# Altium PCB Core_Board.PcbDoc (continued)
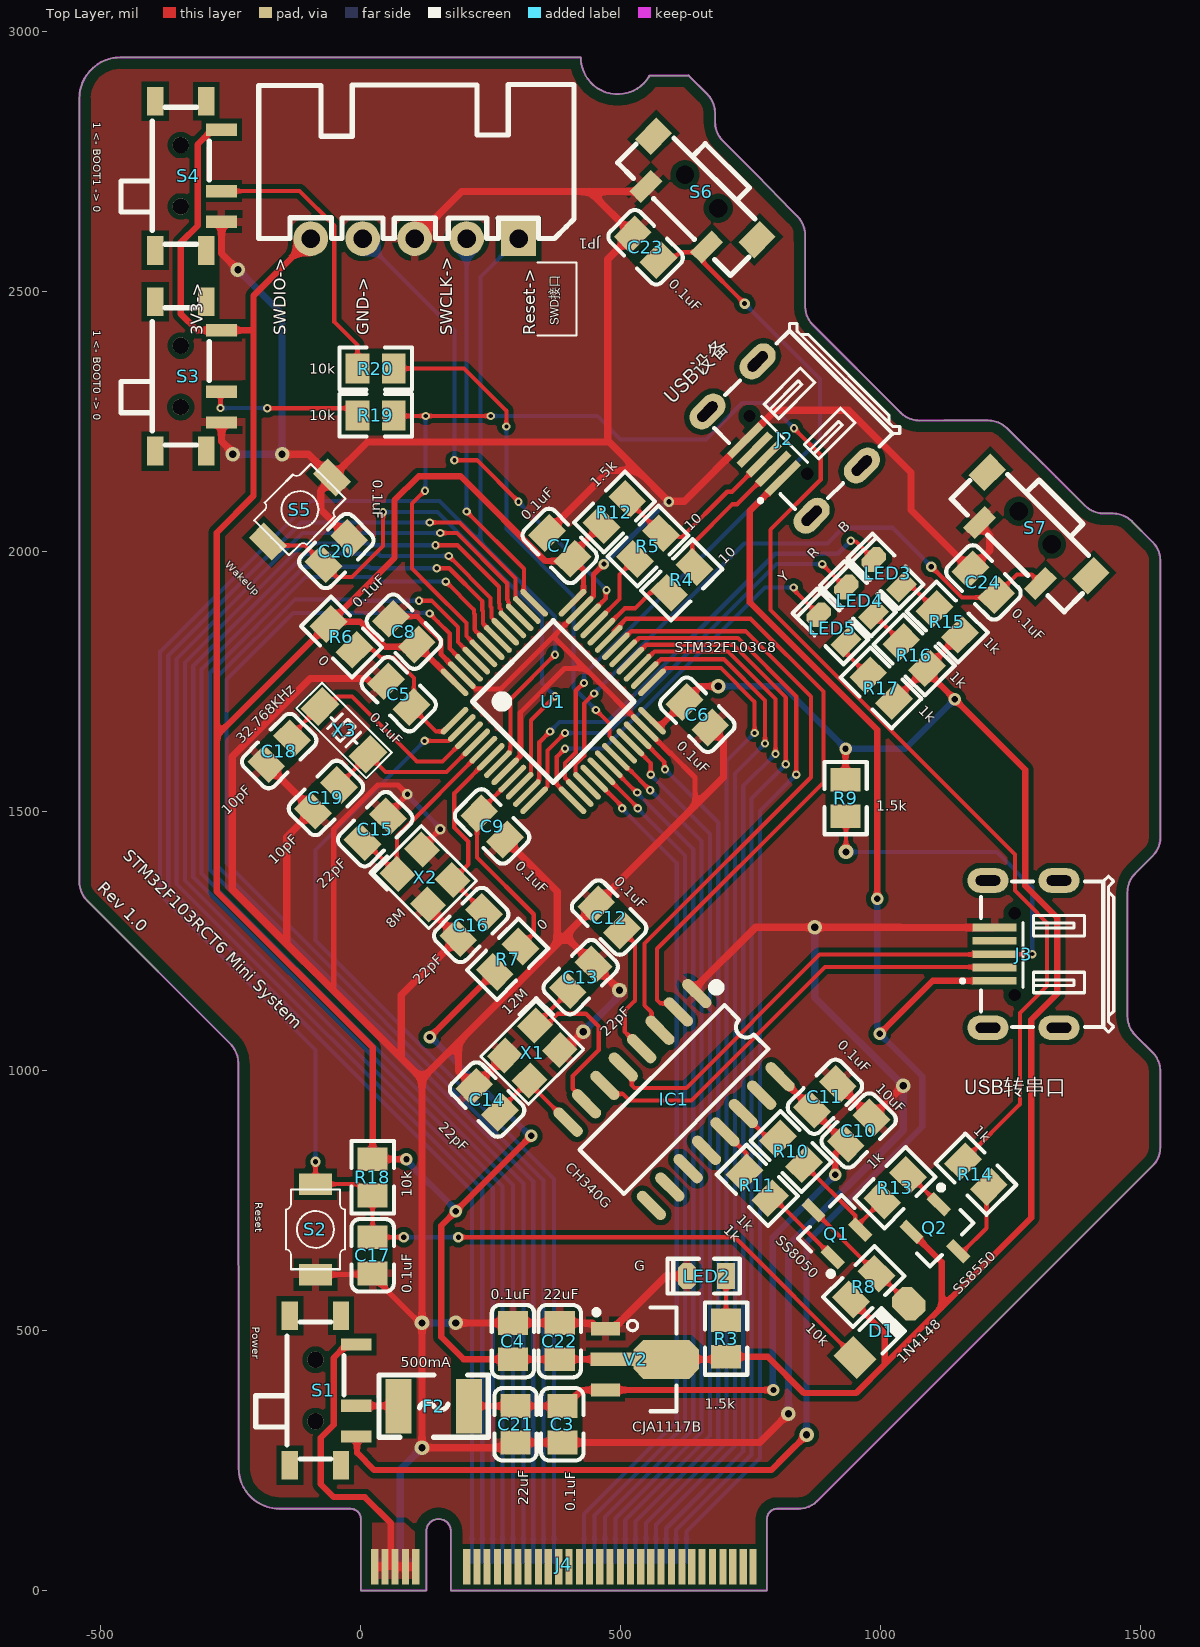
[diagram p0: Top Layer view]
## Nets (pads, with @x,y where several pads share a name; then routed paths per layer and width w, separated by ;. In a path a pad name is that pad's centre, name@x,y a point inside that pad or via, vN(x,y) a via of type N, cw(c..) or ccw(c..) an arc to the next point about the centre after c; other vN are vias at no path point)
3V3: C4.2 C6.2 C7.2 C8.2 C22.2 JP1.5 Q2.2 R3.2 R6.1 R7.1 R8.2 R9.1 R12.1 R15.1 R16.1 R17.1 R18.1 S3.3 S4.3 U1.24 U1.36 U1.48 V2.2 | length 8805.8
  Top Layer w10: C7.2 428.35,1964.39 U1.36@428.35,1921.6
  Top Layer w12: S4.3 -285.64,2810.86 -313.97,2782.52 -313.97,2626.36 -346.5,2593.83 -346.5,2456.33 -315.08,2424.91 S3.3 -207.92,2424.91 -206.5,2426.33 ; JP1.5 -206.5,2491.33 -206.5,2426.33 ; R6.1@-67.51,1854.81 -277.29,1645.03 ; R6.1 R6.1@-57.75,1864.12 ; v3(87.71,830.03) 22.79,830.03 R18.1 22.71,1045.03 -277.29,1345.03 -277.29,1645.03 ; v3(132.71,1065.03) R7.1 ; U1.48 107.62,1820.25 C8.2 103.17,1815.94 46.8,1815.94 -1.38,1864.12 R6.1@-57.75,1864.12 ; v3(327.71,875.03) 154.71,702.03 154.71,488.03 197.71,445.03 C4.2 C22.2 C22.2 C22.2 V2.2@483.71,445.03 ; U1.36 407.45,1900.71 U1.36@428.35,1921.6 ; R12.1 407.49,1994.81 C7.2 403.17,1980.94 355.32,1980.94 191.93,2144.33 111.5,2144.33 64.71,2097.54 64.71,1986.58 R6.1@-57.75,1864.12 ; U1.24 573.03,1661.06 573.74,1661.06 C6.2 652.71,1740.03 v2(687.71,1740.03) ; V2.2@587.71,445.03 697.75,445.03 R3.2 782.75,449.99 852.71,380.03 952.71,380.03 1010.21,437.53 ; R9.1 v3(932.71,1620.03) ; R8.2 1008.16,495.03 1008.16,439.58 1010.21,437.53 ; R17.1 1085.88,1771.86 R16.1 ; Q2.2 1117.71,632.14 1117.71,545.03 ; R15.1 1153.02,1839.01 R16.1 ; -277.29,1645.03 -277.29,2035.54 -206.5,2106.33 -206.5,2426.33 ; 1010.21,437.53 1117.71,545.03 ; R16.1 1089.41,1768.33 v3(1142.71,1715.03) 1278.5,1579.24 1278.5,1356.33 1340,1294.83 1340,1148.32 1290.13,1098.45 1290.13,717.45 1117.71,545.03
  Bottom Layer w12: v3(87.71,830.03) 87.71,827.53 182.71,732.53 v3(182.71,730.03) ; v3(132.71,1065.03) 135.21,1065.03 325.21,875.03 v3(327.71,875.03) ; v2(687.71,1740.03) 812.71,1740.03 v3(932.71,1620.03) 1047.71,1620.03 v3(1142.71,1715.03)
5V: C3.2 C10.2 C11.2 C21.2 F2.2 IC1.16 V2.3 | length 1312.7
  Top Layer w12: F2.2 C21.2 C3.2 393.81,355.03 424.76,385.97 V2.3 v3(793.8,385.99) ; IC1.16 868.16,927.07 C11.2 C10.2 912.71,840.03 v3(912.71,800.03)
  Bottom Layer w12: v3(793.8,385.99) 792.71,387.07 792.71,680.03 v3(912.71,800.03)
BOOT0: R14.1 R19.1 U1.44 | length 3121.8
  Top Layer w8: R19.1 64.87,2260 v1(125,2260) v1(250,2260) ; v1(123.5,2116.33) 98.5,2091.33 98.5,1966.33 133.5,1931.33 203.1,1861.73 203.1,1836.94 235.95,1804.08 U1.44 ; v1(833.5,2236.33) 885,2184.83 885,2137.83 788.5,2041.33 788.5,1886.5 1258.5,1416.5 1258.5,1347.08 1283.5,1322.08 1283.5,1321.83 1320.5,1284.83 1320.5,1163.33 1268.5,1111.33 1268.5,935.88 R14.1
  Bottom Layer w8: v1(123.5,2116.33) 124.25,2117.08 124.25,2259.25 v1(125,2260) ; v1(250,2260) 455,2260 500,2215 663.81,2215 733.81,2285 784.83,2285 v1(833.5,2236.33)
BOOT1: R20.1 U1.20 | length 995
  Top Layer w8: R20.1 198.67,2351.33 280,2270 v1(280,2240) ; v1(452.21,1694.53) 478.41,1668.33 478.41,1644.33 U1.20
  Bottom Layer w8: v1(280,2240) 280,2042.45 409.5,1912.96 409.5,1737.24 v1(452.21,1694.53)
CH340_RX: IC1.3 U1.30 | length 1198.2
  Top Layer w8: U1.30@510.68,1836.36 520.32,1846 740,1846 866,1720 866,1564.94 546,1244.94 546,1126.19 559.3,1112.89 559.3,1094.5 IC1.3
CH340_TX: IC1.2 U1.31 | length 1267.2
  Top Layer w8: U1.31 486.68,1841.01 486.68,1846.3 510.38,1870 749.94,1870 890,1729.94 890,1555 570,1235 570,1136.13 576.27,1129.86 594.66,1129.86 IC1.2
GND: C3.1 C4.1 C5.1 C6.1 C7.1 C8.1 C9.1 C10.1 C11.1 C12.2 C13.1 C14.1 C15.2 C16.2 C17.1 C18.2 C19.2 C20.1 C21.1 C22.1 C23.1 C24.1 IC1.1 J2.5 J3.5 J4.2 J4.4 J4.6 J4.8 JP1.3 LED2.2 S2.2 S3.1 S4.1 S5.1 S6.1 S7.1 U1.8 U1.23 U1.35 U1.47 V2.1 X1.2 X1.4 X2.2 X2.4 | length 14048.5
  Top Layer w10: S2.2 19.72,608.02 v2@117.71,510.03 ; -52.29,1155.03 -52.29,1465.03 32.71,1550.03 71.61,1550.03 v4(89.56,1532.08) 52.57,1495.1 C15.2 ; C8.1 62.25,1874.12 108.68,1874.12 123.64,1859.17 154.1,1828.71 154.1,1801.61 U1.47 194.46,1761.51 220.95,1735.03 269.34,1735.03 372.31,1838 ; X2.4 118.04,1430.36 v4(152.71,1465.03) ; U1.8 277.71,1576.63 306.71,1605.63 306.71,1689.03 391.83,1774.15 431.83,1774.15 ; v4(467.71,1975.03) 447.71,1955.03 447.71,1913.67 421.1,1887.06 U1.35 372.31,1838 ; U1.23 546.11,1659.88 431.83,1774.15 ; U1.23@550.73,1655.8 550.73,1655.53 595.13,1611.13 596.31,1611.13 642.86,1564.58 642.86,1509.88 ; 372.31,1838 372.31,1833.67 431.83,1774.15
  Top Layer w14: S3.1 -267.92,2211.53 -246.5,2190.12 v2(-246.5,2186.33) ; S4.1 -267.92,2572.75 v2(-236.5,2541.33) ; C18.2 C19.2 -142.29,1450.03 -142.29,1245.03 ; v2(-151.5,2186.33) -100.54,2186.33 S5.1 ; C20.1 -77.29,2080.03 -77.29,2115.75 -55.77,2137.27 S5.1 ; C5.1 43.84,1745.27 21.45,1745.27 11.69,1755.03 -97.29,1755.03 -247.29,1605.03 -247.29,1349.73 77.56,1024.88 ; JP1.3 194.21,2692.04 440.7,2692.04 ; X2.2 129.17,1314.17 C16.2 77.71,1146.18 77.71,1025.03 77.56,1024.88 ; v2(182.71,515.03) 292.63,515.03 C4.1 382.67,515.11 C22.1 445.1,515.07 456.08,504.09 V2.1 485.61,504.09 586.55,605.03 LED2.2 ; X1.2 276.92,1028.35 C14.1 187.71,1000.03 187.71,1054.73 ; C9.1 377.71,1345.03 377.71,1244.73 ; C7.1 478.16,2155.03 532.71,2155.03 ; X1.4 393.06,1040.38 v2(427.71,1075.03) ; v2(497.71,1155.03) C13.1 392.86,1259.88 ; S6.1@538.77,2692.04 440.7,2692.04 ; IC1.1 641.79,1153.44 641.79,1158.44 759.68,1276.33 v2(873.5,1276.33) 1038.18,1276.33 1038.73,1275.78 J3.5 ; C6.1 697.71,1635.03 697.71,1564.73 642.86,1509.88 392.86,1259.88 ; v2(822.71,340.03) 767.63,284.95 C3.1 C21.1 287.79,275.03 v2(117.71,275.03) 117.71,510.03 v2(117.71,515.03) 117.71,984.73 ; C11.1 C10.1 982.71,910.54 v2(1043.5,971.33) ; S7.1@1180.79,2045.03 S7.1 1190.53,2049.47 1210,2030 1210,2001.43 C24.1 1058.5,2079.24 1058.5,2151.33 938.5,2271.33 797.82,2271.33 J2.5 622.67,2096.18 593.86,2096.18 v4(592.71,2095.03) 532.71,2155.03 ; S5.1 12.68,2210 471.37,2210 ; 77.56,1024.88 117.71,984.73 ; 117.71,984.73 187.71,1054.73 ; 187.71,1054.73 377.71,1244.73 ; 377.71,1244.73 392.86,1259.88 ; 440.7,2692.04 C23.1 475,2561.43 475,2213.63 471.37,2210 ; 471.37,2210 477.74,2210 532.71,2155.03
  Bottom Layer w10: v4(89.56,1532.08) 89.56,1530.13 152.71,1466.98 v4(152.71,1465.03) ; v4(467.71,1975.03) 582.71,2090.03
  Bottom Layer w14: v2(-246.5,2186.33) v2(-151.5,2186.33) -151.5,2456.33 v2(-236.5,2541.33) ; J4.2 J4.4 J4.6 ; J4.8 J4.6 ; v2(117.71,275.03) 75.71,233.03 J4.6 ; v2(117.71,515.03) v2(182.71,515.03) ; v2(427.71,1075.03) 495.03,1142.35 495.03,1152.35 v2(497.71,1155.03) ; v2(822.71,340.03) 822.71,665.03 1043.5,885.82 v2(1043.5,971.33) 873.5,1141.33 v2(873.5,1276.33)
NetC5_2: C5.2 R6.2 U1.1 | length 302.6
  Top Layer w8: R6.2 -8.2,1814.57 18.44,1814.57 37.81,1795.19 62.55,1795.19 102.03,1755.71 C5.2@102.03,1704.35 ; C5.2 144.53,1653.21 159.68,1653.21 U1.1
NetC9_2: C9.2 R7.2 U1.9 | length 406.9
  Top Layer w8: U1.9 227.71,1498.52 C9.2 223.39,1490.71 223.39,1410.71 332.71,1301.4 332.71,1265.03 R7.2
NetC12_1: C12.1 IC1.4 | length 259.7
  Top Layer w8: C12.1 527.71,1245.03 527.71,1135.03 507.71,1115.03 507.71,1075.39 IC1.4
NetC13_2: C13.2 IC1.7 X1.1 | length 422.3
  Top Layer w8: C13.2 398.16,1150.48 X1.1@347.7,1100.03 ; IC1.7 434.23,939.13 407.71,965.65 407.71,990.03 457.71,1040.03 457.71,1085.03 432.71,1110.03 379.6,1110.03 361.6,1092.03 355.7,1092.03 X1.1@347.7,1100.03 ; X1.1@347.7,1100.03 336.78,1089.1 X1.1 X1.1@347.7,1100.03
NetC14_2: C14.2 IC1.8 X1.3 | length 196.8
  Top Layer w8: C14.2 267.71,925.38 X1.3 324.25,976 IC1.8
NetC15_1: C15.1 U1.5 X2.1 | length 400.7
  Top Layer w8: C15.1 8.77,1440.33 X2.1@69.32,1379.78 ; X2.1 X2.1@69.32,1379.78 ; U1.5 69.32,1451.49 X2.1@69.32,1379.78
NetC16_1: C16.1 U1.6 X2.3 | length 376.6
  Top Layer w8: C16.1 176.5,1365.96 X2.3 206.71,1397.46 206.71,1441.03 179.71,1468.03 179.71,1534.04 U1.6
NetC18_1: C18.1 U1.3 X3.2 | length 450.4
  Top Layer w8: C18.1 -132.29,1646.9 X3.2 -64.25,1700.96 -45.19,1720.03 -17.29,1720.03 107.71,1595.03 157.18,1595.03 U1.3
NetC19_1: C19.1 U1.4 X3.1 | length 328.3
  Top Layer w8: C19.1 13.64,1605.96 X3.1 47.71,1575.03 165.02,1575.03 U1.4
NetD1_2: D1.2 Q1.3 R8.1 | length 258.1
  Top Layer w8: Q1.3 992.49,610.25 995.77,610.25 D1.2
NetIC1_5: IC1.5 J3.3 R9.2 | length 1504.9
  Top Layer w8: IC1.5 521.29,991.1 521.29,972.71 526.78,967.22 626.28,967.22 882.86,1223.8 1218.29,1223.8 J3.3 v1(1291.77,1224.6) ; R9.2 933.5,1489.16 v2(933.5,1421.33)
  Bottom Layer w8: v2(933.5,1421.33) 1223.67,1421.33 1291.77,1353.23 v1(1291.77,1224.6)
NetIC1_6: IC1.6 J3.2 | length 868.1
  Top Layer w8: IC1.6 485.93,955.74 504.32,955.74 516.84,943.22 636.22,943.22 892.8,1199.8 1218.29,1199.8 J3.2
NetIC1_13: IC1.13 R11.1 | length 97.2
  Top Layer w8: IC1.13 742.47,840.62 742.47,808.9 R11.1
NetIC1_14: IC1.14 R10.1 | length 87
  Top Layer w8: IC1.14 784,869.81 R10.1
NetLED2_1: LED2.1 R3.1 | length 85
  Top Layer w8: LED2.1 702.71,604.83 R3.1
NetLED3_1: LED3.1 R15.2 | length 82.1
  Top Layer w8: LED3.1 1040.95,1932.05 1060.04,1932.05 R15.2
NetLED4_1: LED4.1 R16.2 | length 75
  Top Layer w8: LED4.1 R16.2
NetLED5_1: LED5.1 R17.2 | length 82.1
  Top Layer w8: LED5.1 932.76,1823.87 932.76,1804.77 R17.2
NetQ1_1: Q1.1 R11.2 | length 167.3
  Top Layer w8: R11.2 794.82,755.03 Q1.1
NetQ1_2: Q1.2 R10.2 R13.1 | length 242.2
  Top Layer w8: R10.2 951.23,721.51 951.23,704.4 Q1.2@958.29,697.35 ; Q1.2 Q1.2@958.29,697.35 ; R13.1 958.29,705.61 Q1.2@958.29,697.35
NetQ2_1: Q2.1 R13.2 | length 83.1
  Top Layer w8: R13.2 1055.6,800.03 Q2.1
NetQ2_3: Q2.3 R14.2 | length 154.7
  Top Layer w8: Q2.3 1150.63,652.11 1158.9,652.11 1203.96,697.17 1203.96,772.24 R14.2
NetR4_2: R4.2 U1.32 | length 164.5
  Top Layer w8: U1.32 507.86,1890.03 527.44,1890.03 561.76,1924.34 588.4,1924.34 R4.2
NetR5_2: R5.2 U1.33 | length 158.7
  Top Layer w8: U1.33 497.71,1907.72 497.71,1955.03 R5.2
NetR19_2: R19.2 S3.2 | length 301.5
  Top Layer w8: v1(-270,2275.56) -270,2304.72 S3.2 ; v1(-180,2275) -20.21,2275 R19.2
  Bottom Layer w8: v1(-270,2275.56) -269.72,2275.28 -180.28,2275.28 v1(-180,2275)
NetR20_2: R20.2 S4.2 | length 537.7
  Top Layer w8: S4.2 -117.75,2692.75 -51.04,2626.04 -51.04,2441.04 -6.5,2396.5 R20.2
PA1: LED3.2 U1.11 | length 926.8
  Top Layer w8: U1.11 319.47,1535.42 343.3,1559.24 343.3,1632.18 v1(364.23,1653.12) ; v1(942.71,2020.03) 944.24,2018.5 952.38,2018.5 LED3.2
  Bottom Layer w8: v1(364.23,1653.12) 382.14,1671.03 473.45,1671.03 797.46,1995.03 917.71,1995.03 v1(942.71,2020.03)
PA2: LED4.2 U1.12 | length 848.1
  Top Layer w8: U1.12 333.39,1521.5 359.3,1547.4 359.3,1616.62 v1(392.71,1650.03) ; v1(887.71,1975.03) 931.89,1930.85 LED4.2
  Bottom Layer w8: v1(392.71,1650.03) 475.08,1650.03 800.08,1975.03 v1(887.71,1975.03)
PA3: LED5.2 U1.13 | length 758.9
  Top Layer w8: v1(392.71,1620.03) 377.1,1604.42 377.1,1551.58 407.18,1521.5 U1.13 ; v1(832.71,1930.03) 834.24,1928.5 834.24,1924.5 LED5.2
  Bottom Layer w8: v1(392.71,1620.03) 467.71,1620.03 777.71,1930.03 v1(832.71,1930.03)
PA4: C23.2 S6.2 U1.14 | length 1452.9
  Top Layer w8: U1.14 421.1,1535.42 393.1,1563.42 393.1,1592.07 413.5,1612.46 413.5,1731.33 428.6,1746.43 v1(429.5,1746.43) ; C23.2 599.35,2560.03 614.44,2575.12 S6.2@655.7,2575.12 ; S6.2 656.01,2575.43 656.01,2558.82 v4(738.5,2476.33)
  Bottom Layer w8: v1(429.5,1746.43) 429.5,1762.33 883.5,2216.33 883.5,2331.33 v4(738.5,2476.33)
PA5: C24.2 S7.2 U1.15 | length 1273.2
  Top Layer w8: U1.15 413.28,1570.26 413.28,1577.6 413.28,1589.62 429.73,1606.07 429.73,1707.05 v1(448.85,1726.17) ; v4(1097.71,1970.03) 1157.02,1910.72 1218.4,1910.72 C24.2 1262.68,1955 1290.3,1955 S7.2
  Bottom Layer w8: v1(448.85,1726.17) 737.71,2015.03 897.71,2015.03 927.71,2045.03 1022.71,2045.03 v4(1097.71,1970.03)
PA6: J4.34 U1.16 | length 1646.9
  Top Layer w8: U1.16 501.18,1510.21 501.18,1506.56 v1(502.71,1505.03)
  Bottom Layer w8: J4.34 429.71,147.03 607.71,325.03 607.71,1400.03 v1(502.71,1505.03)
PA7: J4.36 U1.17 | length 1660
  Top Layer w8: U1.17 532.71,1506.51 v1(532.71,1505.03)
  Bottom Layer w8: J4.36 449.71,144.4 623.71,318.4 623.71,1414.03 v1(532.71,1505.03)
PA8: J4.54 U1.29 | length 2145
  Top Layer w8: U1.29 505.43,1803.27 535.16,1833 725.36,1833 837.71,1720.65 v1(837.71,1570.03)
  Bottom Layer w8: J4.54 626.71,113.78 767.71,254.78 767.71,1500.03 v1(837.71,1570.03)
PA15: J4.12 U1.38 | length 2874.4
  Top Layer w8: v1(132.58,2055.03) 189.8,2055.03 297.72,1947.1 297.72,1913.75 298.88,1912.59 298.88,1909.34 319.47,1888.75 U1.38
  Bottom Layer w8: v1(132.58,2055.03) -114.66,2055.03 -370.5,1799.19 -370.5,1353.28 213.71,769.07 J4.12
PB0: J4.38 U1.18 | length 1673.9
  Top Layer w8: U1.18 476.78,1589.47 530.46,1535.79 v1(531.72,1535.79)
  Bottom Layer w8: J4.38 469.71,141.78 639.71,311.78 639.71,1426.31 600.53,1465.49 531.72,1534.31 v1(531.72,1535.79)
PB1: J4.40 U1.19 | length 1687.9
  Top Layer w8: U1.19 491.51,1604.2 514.18,1581.54 515.19,1581.54 v1(556.7,1540.03)
  Bottom Layer w8: J4.40 489.71,139.15 655.71,305.15 655.71,1442.03 557.71,1540.03 v1(556.7,1540.03)
PB3: J4.14 U1.39 | length 2833.1
  Top Layer w8: v1(152.71,2035.03) 184.8,2035.03 281.72,1938.1 281.72,1907.12 283.1,1905.75 283.1,1902.49 284.96,1900.63 284.96,1893.46 U1.39
  Bottom Layer w8: v1(152.71,2035.03) -112.04,2035.03 -354.5,1792.56 -354.5,1359.91 233.71,771.7 J4.14
PB4: J4.16 U1.40 | length 2793.2
  Top Layer w8: v1(143.5,2011.33) 185.87,2011.33 265.72,1931.48 265.72,1899.61 267.1,1898.24 267.1,1890.66 269.89,1887.86 269.89,1880.69 U1.40
  Bottom Layer w8: v1(143.5,2011.33) 17.81,2011.33 14.11,2015.03 -109.41,2015.03 -338.5,1785.94 -338.5,1366.54 253.71,774.32 J4.16
PB5: J4.18 U1.41 | length 2744.2
  Top Layer w8: v1(169.26,1990.56) 249.72,1910.1 249.72,1892.99 251.1,1891.61 251.1,1872.46 277.71,1845.84 U1.41
  Bottom Layer w8: v1(169.26,1990.56) 38.05,1990.56 33.58,1995.03 -106.78,1995.03 -322.5,1779.31 -322.5,1373.16 272.71,777.95 J4.18
PB6: J4.20 U1.42 | length 2700.2
  Top Layer w8: v1(146.18,1967.09) 170.1,1967.09 233.72,1903.48 233.72,1886.36 235.1,1884.99 235.1,1860.62 263.79,1831.92 U1.42
  Bottom Layer w8: v1(146.18,1967.09) 18.9,1967.09 15.96,1970.03 -109.15,1970.03 -306.5,1772.68 -306.5,1379.79 292.71,780.58 J4.20
PB7: J4.22 U1.43 | length 2654.6
  Top Layer w8: v1(163.5,1941.33) 217.72,1887.1 217.72,1879.73 219.1,1878.36 219.1,1848.78 249.87,1818 U1.43
  Bottom Layer w8: v1(163.5,1941.33) 37.3,1941.33 28.59,1950.03 -106.53,1950.03 -290.5,1766.05 -290.5,1386.42 312.71,783.21 J4.22
PB8: J4.24 U1.45 | length 2579.2
  Top Layer w8: v1(111.86,1904.69) 136.1,1904.69 187.1,1853.69 187.1,1825.1 222.03,1790.16 U1.45
  Bottom Layer w8: v1(111.86,1904.69) -7.37,1904.69 -9.78,1907.09 -126.83,1907.09 -274.5,1759.43 -274.5,1393.05 331.71,786.83 J4.24
PB9: J4.26 U1.46 | length 2531.2
  Top Layer w8: v1(132.34,1880.17) 147.85,1864.65 171.1,1841.41 171.1,1812.45 U1.46
  Bottom Layer w8: v1(132.34,1880.17) 131.17,1881.33 -129.97,1881.33 -258.5,1752.8 -258.5,1399.67 351.71,789.46 J4.26
PB10: J4.42 U1.21 | length 1708
  Top Layer w8: U1.21 518.54,1631.23 557.71,1592.06 v1(557.71,1570.03)
  Bottom Layer w8: J4.42 508.71,135.52 671.71,298.52 671.71,1456.03 610.48,1517.26 v1(557.71,1570.03)
PB11: J4.44 U1.22 | length 1721.1
  Top Layer w8: U1.22 583.88,1594.53 583.88,1581.7 v1(585.41,1580.17)
  Bottom Layer w8: J4.44 528.71,132.89 687.71,291.89 687.71,1477.87 630.91,1534.67 v1(585.41,1580.17)
PB12: J4.46 U1.25 | length 1977.3
  Top Layer w8: U1.25 587.73,1775.03 692.82,1775.03 757.71,1710.14 v1(757.71,1650.03)
  Bottom Layer w8: J4.46 548.71,130.27 703.71,285.27 703.71,1596.03 v1(757.71,1650.03)
PB13: J4.48 U1.26 | length 2021.5
  Top Layer w8: U1.26 547.19,1761.51 577.71,1792.03 698.45,1792.03 777.71,1712.77 v1(777.71,1630.03)
  Bottom Layer w8: J4.48 567.71,126.64 719.71,278.64 719.71,1572.03 752.94,1605.26 v1(777.71,1630.03)
PB14: J4.50 U1.27 | length 2063.6
  Top Layer w8: U1.27 533.27,1775.43 564.84,1807 706.1,1807 797.71,1715.39 v1(797.71,1610.03)
  Bottom Layer w8: J4.50 587.71,120.03 735.71,268.03 735.71,1548.03 v1(797.71,1610.03)
PB15: J4.52 U1.28 | length 2104.5
  Top Layer w8: U1.28 549.19,1820 715.73,1820 817.71,1718.02 v1(817.71,1590.03)
  Bottom Layer w8: J4.52 606.71,116.4 751.71,261.4 751.71,1524.03 v1(817.71,1590.03)
PC13: J4.28 U1.2 | length 1938.9
  Top Layer w8: v1(122.71,1635.03) 168.53,1635.03 193.38,1659.88 U1.2
  Bottom Layer w8: v1(122.71,1635.03) -87.29,1425.03 -87.29,1251.09 371.71,792.09 J4.28
Reset: C17.2 D1.1 JP1.1 R18.2 S2.1 U1.7 | length 4287.2
  Top Layer w8: v4(-87.29,825.03) S2.1 -5.4,782.04 16.61,760.03 R18.2 C17.2 v4(82.71,680.03) ; v4(187.71,680.03) 719.43,680.03 D1.1 ; U1.7 263.79,1591.09 287.71,1615.01 287.71,1715.03 v1(373.5,1800.82)
  Bottom Layer w8: v4(-87.29,825.03) -87.29,1040.03 -386.5,1339.24 -386.5,1806.33 -96.5,2096.33 151.41,2096.33 229.95,2017.79 ; v4(82.71,680.03) v4(187.71,680.03) ; JP1.1 229.95,2527.79 229.95,2017.79 ; v1(373.5,1800.82) 373.5,1874.24 229.95,2017.79
SWCLK: JP1.2 U1.37 | length 754.4
  Top Layer w8: v1(203.5,2076.33) 313.72,1966.1 313.72,1920.37 U1.37
  Bottom Layer w8: v1(203.5,2076.33) JP1.2
SWDIO: JP1.4 U1.34 | length 963.9
  Top Layer w8: v1(180,2175) 223.53,2175 v1(303.5,2095.03) ; U1.34 471.18,1909.03 471.18,1923.5 v1(472.71,1925.03)
  Bottom Layer w8: JP1.4 180,2424.83 v1(180,2175) ; v1(303.5,2095.03) 303.5,2094.24 v1(472.71,1925.03)
USB_5V: F2.1 S1.2 | length 81.6
  Top Layer w12: S1.2 72.24,355.5 F2.1
USB_5V_Core: J2.1 J3.1 S1.1 | length 3298.1
  Top Layer w12: S1.1 -7.29,295.03 -7.29,265.03 25.74,232 789.68,232 816.18,258.5 v2(857.71,300.03) ; J2.1 748.5,2077.25 748.5,1901.5 993.5,1656.5 v3(993.5,1331.33) ; v3(998.5,1071.33) 1100.58,1173.42 J3.1
  Bottom Layer w12: v2(857.71,300.03) 857.71,670.33 1080,892.62 1080,989.83 996.2,1073.63 996.2,1081.65 993.5,1084.36 v3(993.5,1331.33)
USB_5V_Expansion: J4.1 J4.3 J4.5 J4.7 J4.9 S1.3 | length 637.1
  Top Layer w12: S1.3 -26.42,473.61 -52.29,447.75 -52.29,318.9 -77.29,293.9 -77.29,205.03 -52.29,180.03 7.71,180.03 57.71,130.03 57.71,47.53 56.21,46.03 ; J4.1 J4.3 56.21,46.03 ; J4.9 J4.7 J4.5 56.21,46.03
USB_N: J2.2 R4.1 | length 261.7
  Top Layer w8: R4.1 637.95,1973.9 637.95,2013.3 715.01,2090.36 724.3,2090.36 792.78,2158.84 J2.2
USB_P: J2.3 R5.1 R12.2 | length 356.5
  Top Layer w8: R12.2 512.71,2099.14 R5.1 603.9,2034.58 611.28,2027.2 617.91,2027.2 705.07,2114.36 714.36,2114.36 775.81,2175.81 J2.3
Wakeup: C20.2 S5.2 U1.10 | length 1092.9
  Top Layer w8: S5.2 -171.16,2010.85 -107.22,2010.85 C20.2 -71.47,1975.48 -46.02,1950.03 -17.29,1950.03 42.71,2010.03 v1(42.71,2075.03) ; U1.10 327.29,1570.26 327.29,1577.6 327.3,1674.62 v1(373.5,1720.82)
  Bottom Layer w8: v1(42.71,2075.03) 147.71,2075.03 348.5,1874.24 348.5,1745.82 v1(373.5,1720.82)
pads on no net: "S1. " "S3. " "S4. " IC1.9 IC1.10 IC1.11 IC1.12 IC1.15 J2. J2.4 J3. J3.4 J4.10 J4.11 J4.13 J4.15 J4.17 J4.19 J4.21 J4.23 J4.25 J4.27 J4.29 J4.30 J4.31 J4.32 J4.33 J4.35 J4.37 J4.39 J4.41 J4.43 J4.45 J4.47 J4.49 J4.51 J4.53 J4.55 J4.56 J4.57 J4.58 J4.59 J4.60 J4.61 J4.62 J4.63 J4.64 J4.65 J4.66 J4.67 S1.0 S3.0 S4.0 S6.0 S7.0

## Polygon pours and split planes (outlines as drawn)
USB_5V_Expansion on Top Layer "USB_5V_EXPANSION_L01_P000" (solid, remove dead copper, pour order 0): 111,106.47 84.39,131 12,131 12,8 111,8
GND on Top Layer "GND_L01_P002" (solid, remove dead copper, pour order 2): 0,0 126.02,0 126.02,112.93 125.99,114.17 cw(c149.61,114.17) 173.23,114.17 173.2,112.99 173.2,0 781.5,0 781.5,137.8 cw(c801.18,137.8) 801.18,157.48 842.28,157.48 842.29,157.49 ccw(c842.29,208.7) 878.51,172.49 1523.49,817.47 ccw(c1487.28,853.68) 1538.49,853.68 1538.25,999.75 ccw(c1487.03,999.75) 1523.25,1035.96 1490,1068.79 cw(c1526.21,1105) 1475,1105 1475,1343.8 1475.01,1343.8 cw(c1526.22,1343.8) 1490.01,1380.01 1523.56,1413.56 1523.55,1413.58 ccw(c1487.33,1449.79) 1538.55,1449.79 1538.5,1981.27 ccw(c1487.28,1981.27) 1523.5,2017.48 1483.5,2057.48 ccw(c1447.28,2021.27) 1447.28,2072.48 1429.71,2072.48 cw(c1429.71,2123.69) 1393.5,2087.48 1338.5,2142.48 1243.22,2236.54 ccw(c1207.01,2200.33) 1207.01,2251.54 1207.01,2251.56 1121.8,2251.56 1075.09,2251.26 cw(c1075.09,2302.47) 1038.87,2266.26 870.02,2435.11 870.02,2435.12 cw(c906.24,2471.33) 855.02,2471.33 855.02,2589.98 855,2590 854.85,2608.31 ccw(c803.64,2608.31) 839.85,2644.52 751.48,2734.49 696.48,2789.49 cw(c732.7,2825.71) 681.48,2825.71 681.48,2843.28 ccw(c630.27,2843.28) 666.48,2879.49 610.95,2935.03 ccw(c574.73,2898.82) 574.73,2950.03 -462.76,2950.03 -462.76,2950.04 ccw(c-462.76,2871.29) -541.51,2871.29 -541.5,2871.29 -541.5,1363.68 -541.49,1363.68 ccw(c-490.28,1363.68) -526.49,1327.47 -251.51,1052.49 cw(c-289.76,1014.24) -235.67,1014.24 -235.23,236.22 ccw(c-156.49,236.22) -156.49,157.48 -19.68,157.48 cw(c-19.68,137.8) 0,137.8
GND on Bottom Layer "GND_L02_P004" (solid, remove dead copper, pour order 4): 0,0 126.02,0 126.02,112.93 125.99,114.17 cw(c149.61,114.17) 173.23,114.17 173.2,112.99 173.2,0 781.5,0 781.5,137.8 cw(c801.18,137.8) 801.18,157.48 842.28,157.48 842.29,157.49 ccw(c842.29,208.7) 878.51,172.49 1523.49,817.47 ccw(c1487.28,853.68) 1538.49,853.68 1538.25,999.75 ccw(c1487.03,999.75) 1523.25,1035.96 1490,1068.79 cw(c1526.21,1105) 1475,1105 1475,1343.8 1475.01,1343.8 cw(c1526.22,1343.8) 1490.01,1380.01 1523.56,1413.56 1523.55,1413.58 ccw(c1487.33,1449.79) 1538.55,1449.79 1538.5,1981.27 ccw(c1487.28,1981.27) 1523.5,2017.48 1483.5,2057.48 ccw(c1447.28,2021.27) 1447.28,2072.48 1429.71,2072.48 cw(c1429.71,2123.69) 1393.5,2087.48 1338.5,2142.48 1243.22,2236.54 ccw(c1207.01,2200.33) 1207.01,2251.54 1207.01,2251.56 1121.8,2251.56 1075.09,2251.26 cw(c1075.09,2302.47) 1038.87,2266.26 870.02,2435.11 870.02,2435.12 cw(c906.24,2471.33) 855.02,2471.33 855.02,2589.98 855,2590 854.85,2608.31 ccw(c803.64,2608.31) 839.85,2644.52 751.48,2734.49 696.48,2789.49 cw(c732.7,2825.71) 681.48,2825.71 681.48,2843.28 ccw(c630.27,2843.28) 666.48,2879.49 610.95,2935.03 ccw(c574.73,2898.82) 574.73,2950.03 -462.76,2950.03 -462.76,2950.04 ccw(c-462.76,2871.29) -541.51,2871.29 -541.5,2871.29 -541.5,1363.68 -541.49,1363.68 ccw(c-490.28,1363.68) -526.49,1327.47 -251.51,1052.49 cw(c-289.76,1014.24) -235.67,1014.24 -235.23,236.22 ccw(c-156.49,236.22) -156.49,157.48 -19.68,157.48 cw(c-19.68,137.8) 0,137.8

## Keep-outs
Keep-Out Layer:
  lines w4: 126.02,112.93 126.02,0 0,0 0,137.8 ccw(c-19.68,137.8) -19.68,157.48 -156.49,157.48 cw(c-156.49,236.22) -235.23,236.22 -235.67,1014.24 ccw(c-289.76,1014.24) -251.51,1052.49 ; 125.99,114.17 cw(c149.61,114.17) 173.23,114.17 ; 173.2,112.99 173.2,0 781.5,0 781.5,137.8 cw(c801.18,137.8) 801.18,157.48 842.28,157.48 842.29,157.49 ccw(c842.29,208.7) 878.51,172.49 1523.49,817.47 ccw(c1487.28,853.68) 1538.49,853.68 1538.25,999.75 ccw(c1487.03,999.75) 1523.25,1035.96 1490,1068.79 cw(c1526.21,1105) 1475,1105 1475,1343.8 cw(c1526.22,1343.8) 1490.01,1380.01 1523.56,1413.56 ccw(c1487.33,1449.79) 1538.55,1449.79 1538.5,1981.27 ccw(c1487.28,1981.27) 1523.5,2017.48 1483.5,2057.48 ccw(c1447.28,2021.27) 1447.28,2072.48 1429.71,2072.48 cw(c1429.71,2123.69) 1393.5,2087.48 1338.5,2142.48 1243.22,2236.54 ccw(c1207.01,2200.33) 1207.01,2251.54 ; 1207.01,2251.56 1121.8,2251.56 1075.09,2251.26 cw(c1075.09,2302.47) 1038.87,2266.26 870.02,2435.11 cw(c906.24,2471.33) 855.02,2471.33 855.02,2518.79 855.02,2589.98 ; -462.76,2950.04 ccw(c-462.76,2871.29) -541.51,2871.29 -541.5,1363.68 ccw(c-490.28,1363.68) -526.49,1327.47 -251.51,1052.49 ; -462.76,2950.03 423.24,2950.03 ccw(c494.1,2950.03) 555.71,2915 630.98,2915 666.48,2879.49 cw(c630.27,2843.28) 681.48,2843.28 681.48,2825.71 ccw(c732.7,2825.71) 696.48,2789.49 751.48,2734.49 839.85,2644.52 cw(c803.64,2608.31) 854.85,2608.31 855,2590 ; -462.76,2950.03 -462.76,2950.04 ; -251.51,1052.49 -251.51,1052.49 ; 855,2590 855.02,2589.98

## Other copper
Top Layer:
  pour cut-out: -228.12,2447 -216,2447 -216,2443.49 -220.31,2439.19 -229.51,2439.19 -229.51,2445.6
  pour cut-out: -271.54,2541.01 -271.54,2517.59 -281,2518 -280,2541
  pour cut-out: -228.39,2328.61 -228.38,2328.6 -221.79,2328.6 -221.79,2325.93 -221.84,2325.87 -221.96,2325.99 -229.45,2325.99 -229.45,2327.55
  pour cut-out: -307.45,2284.99 -307.45,2269.56 -289.62,2269.56
  pour cut-out: 37.71,292.53 30.47,292.53 28,295 28,301 39,301
  pour cut-out: 1107.97,821.79 1097.18,811 1088.18,811 1103.46,795.71 1120,812.25 1120,813
  pour cut-out: -228.39,2255.25 -228.37,2255.27 -220.83,2255.27 -220.83,2258.77 -221.01,2258.94 -221.66,2258.29 -229.03,2258.29 -229.03,2255.88
  pour cut-out: 781.66,2245.17 783.02,2246.53 818.24,2246.53 818.24,2241.49 816.86,2240.1 815.82,2241.15 783.26,2241.15 783.26,2243.74 782,2245
  pour cut-out: 971.65,1457.12 970,1458.76 970,1469 978,1469 982,1465 982,1457
  pour cut-out: 939.12,1869.12 942.66,1872.66 944.5,1872.66 948.69,1868.47 943,1862.78 943,1860
  pour cut-out: 995.69,1925.69 992.16,1922.15 996.98,1917.33 996.98,1917.21 1001.87,1922.1
  pour cut-out: 889.62,1819.62 881,1811 895,1797 897,1797 906,1806
  pour cut-out: 383.69,1736.08 399.6,1736.08 399.22,1735.71 399.22,1731.33 389.07,1731.33 388.76,1731.01
  pour cut-out: 718.44,956.6 732.56,970.73 734.17,969.11 734.17,962.6 726.56,954.99
  pour cut-out: 697.2,935.37 683.08,921.25 689.59,921.25 691.21,919.63 698.82,927.24 698.82,933.75
  pour cut-out: 753.79,991.96 767.91,1006.08 767.91,999.57 769.53,997.95 761.92,990.34
  pour cut-out: 471.25,927.46 478.86,935.07 485.37,935.07 486.98,933.46 472.86,919.33
  pour cut-out: 647.73,885.89 661.85,900.01 661.85,893.5 663.46,891.89 655.85,884.28 649.34,884.28
  pour cut-out: 947.59,509.16 947.59,499.41 952,495 957,500 957,501 955.75,501
  pour cut-out: 172.71,417.53 172.71,449.29 172,450 173,451 184,451 184,412 183,411
  pour cut-out: 299.57,1478.31 306.17,1484.92 302.75,1488.34 299.07,1488.34 292.38,1481.65 295.71,1478.31
  pour cut-out: 577.31,1033.53 584.92,1041.14 591.43,1041.14 593.05,1039.52 578.93,1025.4
  pour cut-out: 612.67,1068.88 620.28,1076.49 621.9,1074.88 628.41,1074.88 614.28,1060.76
  pour cut-out: 25.93,1716.75 25.93,1715.93 16,1706 21,1701 22,1701 32,1711 26.25,1716.75
  pour cut-out: 458.24,1989.57 476.74,1989.57 476.96,1989.35 478,1990.39 478,1999 473.86,2003.14 460.49,2003.14 457.94,2000.59 458.24,2000.29
  pour cut-out: 410.79,2054.79 401,2045 406.88,2039.12 409.12,2039.12 420,2050 415.21,2054.79
  pour cut-out: 307.08,2077.03 329.41,2054.7 329.41,2052.72 318.01,2041.32 307.08,2052.25
Bottom Layer:
  pour cut-out: 83.33,852.03 97.3,866 104,866 110,860 100.17,850.17 100.17,848.68
  pour cut-out: 732.25,2028.22 727,2033.47 727,2044 724,2044 716,2036 726.88,2025.12 727.62,2025.12
  pour cut-out: 487.97,1935.23 505.2,1918 571,1918 571,1912 563,1904 508.16,1904 490.71,1921.45
  pour cut-out: 363.3,1705.56 367.18,1705.56 376.68,1696.06 376.68,1684.22 373.75,1684.22 363.3,1673.77
  pour cut-out: 238.28,2628.02 264.98,2628.02 265,2628 263,2626 263,2604 250.01,2604 238.28,2615.74
  pour cut-out: 128.58,2278 167,2278 172,2273 172,2267 168.58,2263.58 143,2263.58

## Silkscreen, mask and mechanical layers (free items; w line width, h text height)
Top Overlay:
  lines w4: 340,2415 415,2415 415,2555 340,2555
  text "1 <- BOOT1 -> 0" at -520,2825 h25 r270
  text "SWD接口" at 386.98,2435.03 h30 r90
  text "1 <- BOOT0 -> 0" at -520,2425 h25 r270
  text "3V3-> /  /  /  / SWDIO-> /  /  /  / GND-> /  /  /  / SWCLK-> /  /  /  / Reset->" at 343.34,2415 h40 r90
  text "USB设备" at 606.43,2274.49 h50 r45
  text "WakeUp" at -265.61,1969.24 h25 r315
  text "STM32F103RCT6 Mini System /  /  Rev 1.0" at -521,1351 h40 r315
  text "USB转串口" at 1161.3,945.17 h50
  text "Reset" at -208.38,747.5 h25 r270
  text "Power" at -213.38,507.5 h25 r270
Bottom Overlay:
  text "A" at 489.32,645 h600 r270
  text "Designed by Jarvis 2021.2.25" at 238,277 h50 r270
Top Solder:
  region: 0,0 0,89 126,89 126,0
  region: 173,0 173,89 781.5,89 781.5,0
Bottom Solder:
  region: 173,0 173,104 781.5,104 781.5,0
  region: 0,0 0,104 126,104 126,0